# Altium PCB Discharge_circuit.PcbDoc (part 1 of 2)
Units mil, origin at the board's own origin, x right, y up, seen from the top; angles counter-clockwise.
Board outline 3355 x 5880 mil, 2 copper layers (Top, Bottom), stack 61.811 mil thick; 102 components, 64 nets, 268 pads, 2630 vias.
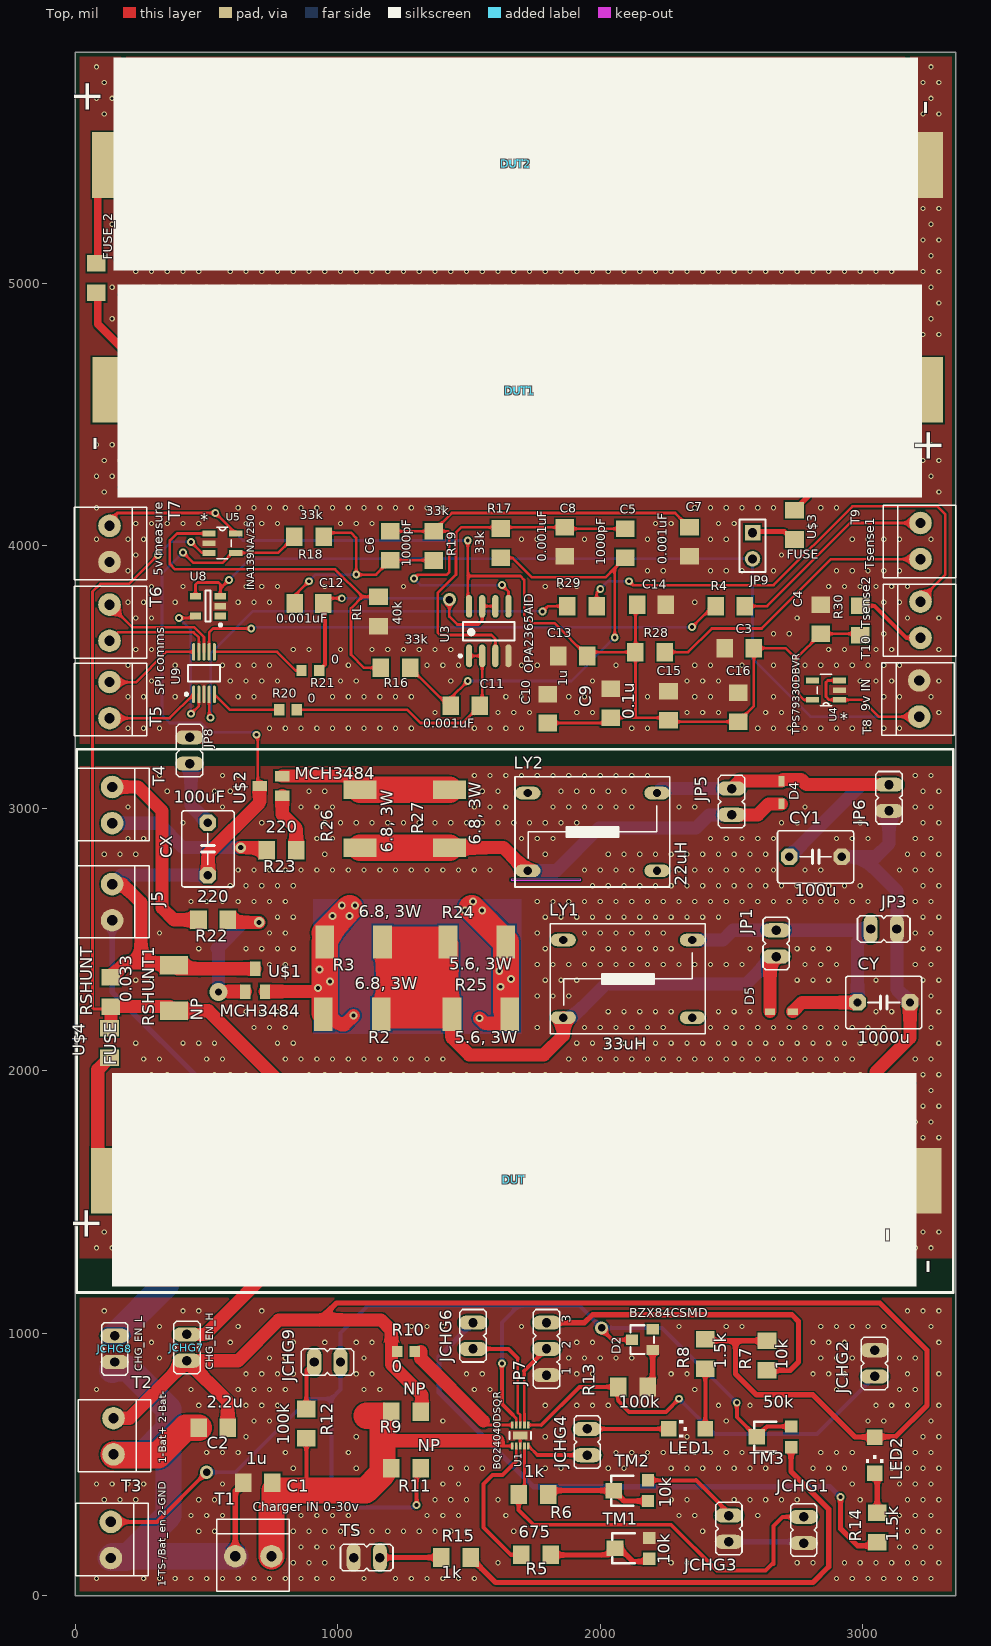
[diagram p0: Top view]
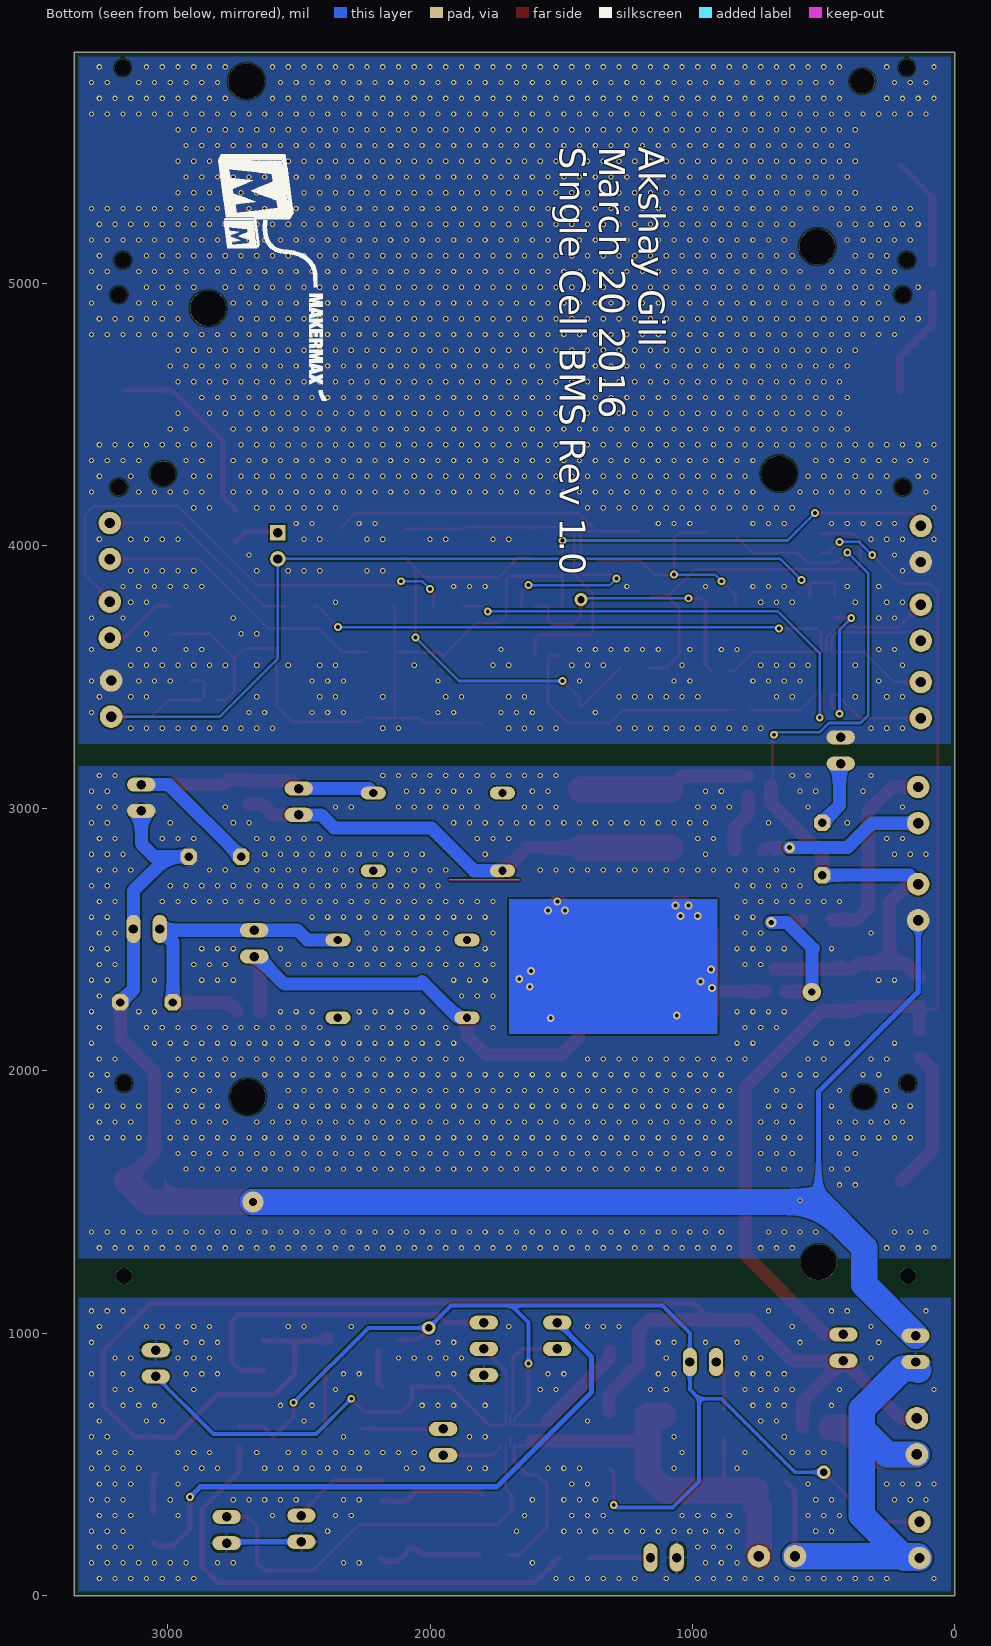
[diagram p1: Bottom view, seen from below]

## Layer stack, top to bottom
Top Solder: solder mask 0.4, Solder Resist, Dk 3.5
Top: signal copper 1.378
Dielectric 1: core 59.0551, FR-4, Dk 4.8
Bottom: signal copper 1.378
Bottom Solder: solder mask 0.4, Solder Resist, Dk 3.5

## Board outline
0,0 0,5880 3355,5880 3355,0

## Design rules (kind name [scope] priority, off if disabled: settings)
AssemblyTestPointUsage SilkToBoardRegionClearance_1 [All] p1:
AssemblyTestPointUsage [All] p2:
AssemblyTestPointUsage SilkToBoardRegionClearance_2 [All] p3:
BoardOutlineClearance [All] p1: gap=15.76 except(0: Region-OutlineEdge Region-CutoutEdge Region-CavityEdge Region-SplitBarrior Region-SplitContinuation Text-OutlineEdge Text-CutoutEdge Text-CavityEdge Text-SplitBarrior Text-SplitContinuation)
Clearance Clearance_1 [All] p1: gap=6 except(0: Region-Region Region-Text Text-Text; 7: SMDPad-Text)
Clearance [All] p2: gap=6
Clearance "Clearance (Same Net)" [All] p3: gap=6
HoleSize HoleSize_1 [All] p1: absolutevalues=TRUE maxlimit=100000 minlimit=12 maxpercent=80.000 minpercent=20.000
HoleSize [All] p2: absolutevalues=TRUE maxlimit=250 minlimit=11.81 maxpercent=80.000 minpercent=20.000
HoleToHoleClearance mdViaViaSameLayer [All] p1: gap=8 allowstackedmicrovias=TRUE
HoleToHoleClearance [All] p2: gap=10 allowstackedmicrovias=TRUE
MatchedLengths DiffPair_DIFF100MatchedLengths [InDifferentialPairClass('DIFF100')] p1: tolerance=6 checknetsindiffpair=TRUE checkdiffpairvsdiffpair=FALSE checkxsignals=FALSE checkothers=FALSE
MinimumSolderMaskSliver SilkscreenOverComponentPads_2 [All] p1: minsoldermaskwidth=10
MinimumSolderMaskSliver SilkToSolderMaskClearance_1 [IsPad] p2: minsoldermaskwidth=10
MinimumSolderMaskSliver SilkscreenOverComponentPads_1 [All] p3: minsoldermaskwidth=10
MinimumSolderMaskSliver SilkToSolderMaskClearance_2 [IsPad] p4: minsoldermaskwidth=10
MinimumSolderMaskSliver SilkscreenOverComponentPads [All] p5: minsoldermaskwidth=10
MinimumSolderMaskSliver [All] p6: minsoldermaskwidth=3.94
PasteMaskExpansion mlMinCreamFrame [All] p1: expansion=0
PasteMaskExpansion [All] p2: expansion=0
PolygonConnect ThermalVias [IsVia] p1: connectstyle=Direct reliefconductorwidth=10 reliefentries=4 polygonreliefangle="90 Angle" airgapwidth=10
PolygonConnect [All] p2: connectstyle=Direct reliefconductorwidth=10 reliefentries=4 polygonreliefangle="90 Angle" airgapwidth=10
RoutingVias [All] p1: holewidth=12 width=25 viastyle="Through Hole" minholewidth=12 minwidth=25 maxholewidth=28 maxwidth=50
SilkToSolderMaskClearance [IsPad] p1 off: minsilkscreentomaskgap=10 clearancetoexposedcopper=TRUE
SolderMaskExpansion mlMinStopFrame [All] p1: expansion=4
SolderMaskExpansion [All] p2: expansion=4
Width Width_1 [All] p1: maxlimit=100 minlimit=10 preferedwidth=50 minimp=50.000000 maximp=50.000000 favimp=50.000000
Width [All] p2: maxlimit=100 minlimit=6 preferedwidth=10
24 further rules are at their usual default settings.

## Classes and differential pairs
component class Discharge_circuit_0: C3 C4 C5 C6 C7 C8 C9 C10 C11 C12 C13 C14 C15 C16 CX CY CY1 D4 D5 DUT DUT1 DUT2 FUSE_2 J5 JP1 JP3 JP5 JP6 JP8 JP9 LY1 LY2 R2 R3 R4 R16 R17 R18 R19 R20 R21 R22 R23 R24 R25 R26 R27 R28 R29 R30 RL RSHUNT RSHUNT1 T4 T5 T6 T7 T8 T9 T10 Text U3 U4 U5 U8 U9 U$1 U$2 U$3 U$4
component class Discharge_circuit_1: C1 C2 D2 JCHG1 JCHG2 JCHG3 JCHG4 JCHG6 JCHG7 JCHG8 JCHG9 JP7 LED1 LED2 R5 R6 R7 R8 R9 R10 R11 R12 R13 R14 R15 T1 T2 T3 TM1 TM2 TM3 TS U1

## Components (designator, comment, footprint, x,y, rotation, side; value= is the part's Value field where it differs from the comment)
C1 "1u" C1206 695,430 r180 top
C2 "2.2u" C1206 525,640 r180 top
C3 "0.1u" C1206 2530,3610 r180 top
C4 "1u" C1206 2840,3720 r90 top
C5 "1000pF" C1206 2095,4010 r90 top
C6 "1000pF" C1206 1200,4000 r90 top
C7 "0.001uF" C1206 2340,4015 r270 top
C8 "0.001uF" C1206 1865,4015 r270 top
C9 "0.1u" C1206 2040,3400 r90 top
C10 "1u" C1206 1800,3380 r90 top
C11 "0.001uF" C1206 1485,3390 r0 top
C12 "0.001uF" C1206 890,3780 r0 top
C13 "1u" C1206 1895,3580 r180 top
C14 "0.1u" C1206 2195,3775 r0 top
C15 "0.1u" C1206 2260,3390 r90 top
C16 "0.1u" C1206 2525,3385 r90 top
CX "100uF" C5B5#1 505,2845 r90 top
CY "1000u" C5B5#2 3120,2960 r0 top
CY1 "100u" C5B5#1 2820,2815 r0 top
D2 "BZX84CSMD" TO236 2160,975 r90 top
D4 "DIODEDIODE" SOD323 2690,3060 r90 top (schematic designator R4)
D5 "DIODEDIODE" SOD323 2690,2225 r0 top
DUT "" 18650 3300,1710 r180 top
DUT1 "" 18650 65,4465 r0 top
DUT2 "" 18650 3305,5580 r180 top
FUSE_2 "FUSE" R1206 80,5020 r270 top
J5 "Bat+/- measure" 1X2-3.5MM 140,2640 r90 top (schematic designator T11)
JCHG1 "JMP_ASI_GND" JP1 2775,250 r0 top
JCHG2 "JMP_ASO_GND" JP1 3045,885 r180 top
JCHG3 "JMP_PRETERM" JP1 2490,255 r180 top
JCHG4 "PG" JP1 1950,585 r0 top
JCHG6 "CHG" JP1 1515,990 r0 top
JCHG7 "CHG_EN_H" JP1 425,945 r0 top
JCHG8 "CHG_EN_L" JP1 150,940 r0 top
JCHG9 "PEC02SAAN" JP1 960,890 r270 top
JP1 "" JP1 2670,2485 r180 top
JP3 "" JP1 3080,2540 r90 top
JP5 "" JP1 2500,3025 r180 top
JP6 "" JP1 3100,3040 r0 top
JP7 "JMP_Hi_Flt_Lo" JP2 1795,940 r90 top
JP8 "" JP1 435,3220 r180 top
JP9 "Header 2" HDR1X2 2580,4050 r270 top
LED1 "" CHIPLED_1206 2330,635 r90 top
LED2 "" CHIPLED_1206 3045,535 r180 top
LY1 "33uH" DSH01 2105,2350 r0 top
LY2 "22uH" DSH01 1970,2910 r0 top
R2 "6.8, 3W" R2512 1055,2215 r180 top
R3 "6.8, 3W" R2512 1060,2490 r180 top
R4 "887R" R1206 2495,3770 r180 top
R5 "675" R1206 1755,155 r180 top
R6 "1k" R1206 1745,385 r180 top
R7 "10k" R1206 2635,915 r90 top
R8 "1.5k" R1206 2400,920 r90 top
R9 "NP" R1206 1260,700 r180 top
R10 "0" R0603 1260,930 r0 top
R11 "NP" R1206 1260,485 r180 top
R12 "100k" R1206 880,655 r270 top
R13 "100k" R1206 2125,795 r0 top
R14 "1.5k" R1206 3055,260 r90 top
R15 "1k" R1206 1450,145 r0 top
R16 "33k" R1206 1220,3535 r180 top
R17 "33k" R1206 1620,4010 r270 top
R18 "33k" R1206 890,4035 r180 top
R19 "33k" R1206 1365,4000 r270 top
R20 "0" R0603 810,3375 r0 top
R21 "0" R0603 895,3525 r0 top
R22 "220" R1206 525,2575 r180 top
R23 "220" R1206 785,2840 r180 top
R24 "5.6, 3W" R2512 1530,2490 r0 top
R25 "5.6, 3W" R2512 1545,2215 r0 top
R26 "6.8, 3W" R2512 1085,2960 r90 top
R27 "6.8, 3W" R2512 1425,2960 r90 top
R28 "887R" R1206 2190,3595 r180 top
R29 "887R" R1206 1930,3770 r180 top
R30 "887R" R1206 2990,3715 r270 top
RL "40k" R1206 1155,3750 r90 top
RSHUNT "0.033" R1206 135,2300 r90 top
RSHUNT1 "NP" R5025 375,2315 r90 top
T1 "Charger IN 0-30v" 1X2-3.5MM 680,150 r180 top
T2 "1-Bat+ 2-Bat-" 1X2-3.5MM 145,605 r90 top
T3 "1-TS-/Bat_en 2-GND" 1X2-3.5MM 135,210 r90 top
T4 "FET drive" 1X2-3.5MM 140,3010 r90 top
T5 "SPI comms" 1X2-3.5MM 130,3410 r90 top
T6 "" 1X2-3.5MM 130,3705 r90 top
T7 "5v measure" 1X2-3.5MM 130,4005 r90 top
T8 "9v IN" 1X2-3.5MM 3215,3420 r270 top
T9 "Tsense1" 1X2-3.5MM 3220,4020 r270 top
T10 "Tsense2" 1X2-3.5MM 3220,3720 r270 top
TM1 "10k" TC33X 2115,180 r90 top
TM2 "10k" TC33X 2110,400 r90 top
TM3 "50k" TC33X 2655,605 r90 top
TS "" JP1 1110,145 r270 top
U1 "BQ24040DSQR" SON40P200X200X80-10N 1695,610 r90 top
U3 "OPA2365AID" TI-D8_N 1575,3675 r90 top
U4 "TPS79330DBVR" SOT95P280X145-5N 2860,3450 r180 top
U5 "INA139NA/250" SOT95P280X145-5N 560,4010 r0 top
U8 "LM4120IM5-5.0/NOPB" MF05A_N 505,3770 r180 top
U9 "ADC104S021QIMM/NOPB" TI-DGS10_N 490,3515 r90 top
U$1 "MCH3484" SOT23B-3 685,2345 r0 top
U$2 "MCH3484" SOT23B-3 745,3085 r90 top
U$3 "FUSE" R1206 2740,4080 r270 top
U$4 "FUSE" R1206 130,2105 r90 top

## Footprints (in the part's own frame and the unit in brackets; to place one, negate y for a bottom-side part, rotate by r counter-clockwise, add the part's x,y. Pads: shape width x height; smd on the part's side, far side on the other; paste and mask are expansions set on the pad)
1X2-3.5MM [mil] "1X2-3.5MM"
  round 86 hole 39.37: 1(70.87,0) 2(-66.93,0)
  silkscreen extent -134,-142 142,134
18650 [mil] "18650"
  round 62 hole 62: 1(134,492) 1(134,-242) 1(3121,-242) 1(3121,492)
  round 136 hole 136: 1(605.5,-190) 1(2780.5,440)
  round 94 hole 94: 1(2952.5,-190)
  rect 289x250 smd: +(3097,129) P$1(144.5,129)
  silkscreen extent 95,-282 3160,532
C5B5#1 [mil] "C5B5"
  oct 63x63 hole 32: 1(-100,0) 2(100,0)
  silkscreen extent -145,-100 145,100
C5B5#2 [mil] "C5B5"
  oct 63x63 hole 32: 1(-140,-700) 2(60,-700)
  silkscreen extent -185,-800 105,-600
C1206 [mil] "C1206"
  rect 62.99x70.87 smd: 1(-55.12,0) 2(55.12,0)
CHIPLED_1206 [mil] "CHIPLED_1206"
  rect 59.06x59.06 smd: A(0,-68.9) C(0,68.9)
  silkscreen extent -33,0 33,31
DSH01 [mil] "DSH01"
  oval 96x48 hole 32: 1(246,-148) 2(246,148) 3(-246,148) 4(-246,-148)
  silkscreen extent -295,-210 295,210
HDR1X2 [mm] "Connector; Header; 2 Position"
  rect 1.5x1.5 hole 0.9: 1(0,0)
  round 1.5 hole 0.9: 2(2.54,0)
  silkscreen extent -1.27,-1.27 3.81,1.27
JP1 [mil] "JP1"
  oval 108x54 hole 36: 1(0,-50) 2(0,50)
  silkscreen extent -50,-100 50,100
JP2 [mil] "JP2"
  oval 54x108 hole 36: 1(-100,0) 2(0,0) 3(100,0)
  silkscreen extent -150,-50 150,50
MF05A_N [mm] "SOT23, 5-Leads, Body 2.9x1.6mm, Pitch 0.95mm, Lead Span 2.8mm, IPC Medium Density"
  rect 1.1x0.65 smd: 1(-1.2,0.95) 2(-1.2,0) 3(-1.2,-0.95) 4(1.2,-0.95) 5(1.2,0.95)
  silkscreen extent -1.33,-1.5 0.25,1.95, body extent -0.83,-1.49 0.83,1.5, height 1.19
R0603 [mm]
  rect 1x1.1 smd: 1(-0.85,0) 2(0.85,0)
R1206 [mil]
  rect 62.99x70.98 smd: 1(-55.98,0) 2(55.98,0)
R2512 [mil] "R2512"
  rect 70.87x125.98 smd: 1(-110.24,0) 2(110.24,0)
R5025 [mil] "R5025"
  rect 70.87x106.3 smd: 1(-86.61,0) 2(86.61,0)
SOD323 [mm] "SOD323"
  rect 1x0.6 smd: 2(1.1,0) -(-1.1,0)
SON40P200X200X80-10N [mil] "SON40P200X200X80-10N"
  rect 26x10 smd: 1(-40,31) 2(-40,16) 3(-40,0) 4(-40,-16) 5(-40,-31) 6(40,-31) 7(40,-16) 8(40,0) 9(40,16) 10(40,31)
  rect 31x55 smd: 11(0,0)
  silkscreen extent -15,-41 15,41
SOT23B-3 [mm] "SOT23B-3"
  rect 1x1.4 smd: 1(-0.95,-1.1) 2(0.95,-1.1) 3(0,1.1)
SOT95P280X145-5N [mil] "SOT95P280X145-5N"
  rect 50x22 smd: 1(-51,37) 2(-51,0) 3(-51,-37) 4(51,-37) 5(51,37)
  silkscreen extent -21,-60 34,60
TC33X [mm] "TC33X"
  rect 1.2x1.2 smd: 1(-1,-1.825) 3(1,-1.825)
  rect 1.5x1.6 smd: 2(0,1.5)
  silkscreen extent -1.45,-0.4 1.45,1.75
TI-D8_N [mm] "SOIC, 8-Leads, Body 4.9x3.9mm, Pitch 1.27mm, IPC Medium Density"
  oval 2.2x0.6 smd: 1(-2.4,1.905) 2(-2.4,0.635) 3(-2.4,-0.635) 4(-2.4,-1.905) 5(2.4,-1.905) 6(2.4,-0.635) 7(2.4,0.635) 8(2.4,1.905)
  silkscreen extent -2.52,-2.5 0.9,2.88, body extent -2,-2.5 2,2.5, height 1.75
TI-DGS10_N [mm] "SOP, 10-Leads, Body 3x3mm, Pitch 0.5mm, IPC Medium Density"
  oval 1.7x0.3 smd: 1(-2.05,1) 2(-2.05,0.5) 3(-2.05,0) 4(-2.05,-0.5) 5(-2.05,-1) 6(2.05,-1) 7(2.05,-0.5) 8(2.05,0) 9(2.05,0.5) 10(2.05,1)
  silkscreen extent -2.17,-1.55 0.8,1.82, body extent -1.55,-1.55 1.55,1.55, height 1.1
TO236 [mm] "TO236"
  rect 1x1.2 smd: A(-1,-1) C(0,1) NC(1,-1)
  silkscreen extent -1.4,-1.15 1.4,1.15

## Part data
C1 C2 C3 C4 C5 C6 C7 C8 C9 C10 C11 C12 C13 C14 C15 C16: library part C-USC1206, "CAPACITOR, American symbol"
CX CY CY1: library part C5/5, "CAPACITOR   naming: grid - package width"
D2: "Z DIODE"
D4 D5: "http://www.digikey.com/product-detail/en/panasonic-electronic-components/MA2Z0300AL/MA2Z0300ALCT-ND/972523"
DUT DUT1 DUT2: library part 18650_CELL
J5 T1 T2 T3 T4 T5 T6 T7 T8: library part 1X2-3.5MM, "3.5mm Terminal block    http://www.ladyada.net/library/pcb/eaglelibrary.html"
JCHG1 JCHG2 JCHG3 JCHG4 JCHG6 JCHG7 JCHG8 JCHG9 JP1 JP3 JP5 JP6 JP8 TS: library part JP1Q, "JUMPER"
JP7: library part JP2E, "JUMPER"
JP9: "Header, 2-Pin"
LED1 LED2: library part LEDCHIPLED_1206, "LED   OSRAM: - CHIPLED LG R971, LG N971, LY N971, LG Q971, LY Q971, LO R971, LY R971 LH N974, LH R974 LS Q976, LO Q976, LY Q976 LO Q996 - Hyper CHIPLED LW Q18S LB Q993, LB Q99A, LB R99A - SideLED LS A670, LO A670, LY A670, LG A670, LP A670 LB A673, LV A673, LT A673, LW A673 LH A674 LY A675 LS A676, LA A676, LO A676, LY A676, LW A676 LS A679, LY A679, LG A679 -  Hyper Micro SIDELED® LS Y876, LA Y876, LO Y876, LY Y876 LT Y87S - SmartLED LW L88C, LW L88S LB L89C, LB L89S, LG L890 LS L89K, LO L89K, LY L89K LS L896, LA L896, LO L896, LY L896 - TOPLED LS T670, LO T670, LY T670, LG T670, LP T670 LSG T670, LSP T670, LSY T670, LOP T670, LYG T670 LG T671, LOG T671, LSG T671 LB T673, LV T673, LT T673, LW T673 LH T674 LS T676, LA T676, LO T676, LY T676, LB T676, LH T676, LSB T676, LW T676 LB T67C, LV T67C, LT T67C, LS T67K, LO T67K, LY T67K, LW E67C LS E67B, LA E67B, LO E67B, LY E67B, LB E67C, LV E67C, LT E67C LW T67C LS T679, LY T679, LG T679 LS T770, LO T770, LY T770, LG T770, LP T770 LB T773, LV T773, LT T773, LW T773 LH T774 LS E675, LA E675, LY E675, LS T675 LS T776, LA T776, LO T776, LY T776, LB T776 LHGB T686 LT T68C, LB T68C - Hyper Mini TOPLED® LB M676 - Mini TOPLED Santana® LG M470 LS M47K, LO M47K, LY M47K    Source: http://www.osram.convergy.de/"
LY1 LY2: library part DSH01, "INDUCTOR"
R2 R3 R24 R25 R26 R27: library part R-US_R2512, "RESISTOR, American symbol"
R4 R28 R29 R30: library part R-US_R1206
R5 R6 R7 R8 R9 R10 R11 R12 R13 R14 R15 R16 R17 R18 R19 R20 R21 R22 R23 RL RSHUNT: library part R-US_R1206, "RESISTOR, American symbol"
RSHUNT1: library part R-US_R5025, "RESISTOR, American symbol"
T9 T10: library part 1X2-3.5MM
TM1 TM2 TM3: library part TRIMPOTTC33X, "SMT trimmer potentiometer part number TC33X    http://www.ladyada.net/library/eagle"
U1: "Single Cell Li-Ion Battery Charger"
U3: "50 MHz, Low-Noise Single-Supply Rail-to-Rail Operational Amplifier, 2.2 to 5.5 V, -40 to 125 degC, 8-pin SOIC (D8), Green (RoHS & no Sb/Br)"
U4: "ULTRALOW-NOISE, HIGH PSRR, FAST RF 200mA LOW-DROPOUT LINEAR REGULATORS IN NanoStar? WAFER CHIP SCALE AND SOT23"
U5: "High-Side Measurement CURRENT SHUNT MONITOR"
U8: "Precision Micropower Low Dropout Voltage Reference, 5-pin SOT-23, Pb-Free"
U9: "4 Channel, 50 to 200 kSPS, 10-Bit ADC, -40 to 85 degC, 10-pin SOP (DGS10), Green (RoHS & no Sb/Br)"
U$1 U$2: "MCH3484 Power MOSFET 20v, 4.5A ON Semi http://www.onsemi.com/pub_link/Collateral/MCH3484-D.PDF"

## Via types
v1: diameter 20, hole 12, Top to Bottom, 2581 vias
v2: diameter 30, hole 15, Top to Bottom, 42 vias
v3: diameter 50, hole 28, Top to Bottom, 3 vias
v4: diameter 40, hole 20, Top to Bottom, 2 vias
v5: diameter 70, hole 28, Top to Bottom, 1 vias
v6: diameter 80, hole 30, Top to Bottom, 1 vias

## Nets (pads, with @x,y where several pads share a name; then routed paths per layer and width w, separated by ;. In a path a pad name is that pad's centre, name@x,y a point inside that pad or via, vN(x,y) a via of type N, cw(c..) or ccw(c..) an arc to the next point about the centre after c; other vN are vias at no path point)
5V_NET: C3.1 C4.1 C9.1 C10.1 C13.1 C14.1 C15.1 C16.1 R28.2 R30.2 T7.1 U3.8 U4.5 U5.5 | length 4810.6
  Top w10: T7.1@130,4075.87 130,4095 160,4125 v2(533,4125) U5.5@611,4047 ; v2(1495,4020) 1495,3885 ; U3.8@1500,3769.49 1495,3774.49 1495,3885 ; C10.1@1800,3324.88 2020,3324.88 C9.1@2040,3344.88 2130,3344.88 ; C14.1@2139.88,3775 2134.02,3769.14 R28.2@2134.02,3595 ; U4.5@2809,3413 2777,3413 2745,3445 2745,3569.88 ; R30.2@2990,3659.02 2984.14,3664.88 C4.1@2840,3664.88 2745,3569.88 ; 1495,3885 1695,3885 1710,3870 1710,3735 1740,3705 1825.12,3705 C13.1@1950.12,3580 1965.12,3595 R28.2@2134.02,3595 ; 2130,3344.88 2250,3344.88 C15.1@2260,3334.88 2265,3329.88 C16.1@2525,3329.88 2585.12,3390 C3.1@2585.12,3610 2704.88,3610 2745,3569.88 ; 2130,3344.88 2134.02,3348.9 R28.2@2134.02,3595
  Bottom w10: T7.1@130,4075.87 T7.1@139.13,4085 ; v2(533,4125) 638,4020 v2(1495,4020)
BAT-: CY1.2 CY.2 DUT.P$1 J5.2 JCHG8.2 JP3.1 JP6.1 | length 6294.6
  Top w50: DUT.P$1@3155.5,1581 3050,1686.5 3050,1995 3180,2125 CY.2@3180,2260
  Top w100: v6(2675,1500) 3074.5,1500 DUT.P$1@3155.5,1581
  Bottom w20: J5.2@140,2573.07 140,2300 520,1920 520,1500
  Bottom w50: CY1.2@2920,2815 3000,2815 ; JP6.1@3100,2990 3100,2865 3050,2815 3000,2815 ; CY.2@3180,2260 3130,2310 JP3.1@3130,2540 3130,2685 3000,2815
  Bottom w100: JCHG8.2@150,990 345,1185 345,1325 520,1500 v6(2675,1500)
  other v1: 80,1325 140,1325 200,1325 260,1325 620,1325 680,1325 740,1325 860,1325 920,1325 980,1325 1040,1325 1100,1325 1160,1325 1220,1325 1280,1325 1340,1325 1400,1325 1460,1325 1520,1325 1580,1325 1640,1325 1700,1325 1760,1325 1820,1325 1880,1325 1940,1325 2000,1325 2060,1325 2120,1325 2180,1325 2240,1325 2300,1325 2360,1325 2420,1325 2480,1325 2540,1325 2600,1325 2660,1325 2720,1325 2780,1325 2840,1325 2900,1325 2960,1325 3020,1325 3080,1325 3140,1325 3200,1325 3260,1325 110,1385 170,1385 230,1385 530,1385 590,1385 650,1385 710,1385 890,1385 950,1385 1010,1385 1070,1385 1130,1385 1190,1385 1250,1385 1310,1385 1370,1385 1430,1385 1490,1385 1550,1385 1610,1385 1670,1385 1730,1385 1790,1385 1850,1385 1910,1385 1970,1385 2030,1385 2090,1385 2150,1385 2210,1385 2270,1385 2330,1385 2390,1385 2450,1385 2510,1385 2570,1385 2630,1385 2690,1385 2750,1385 2810,1385 2870,1385 2930,1385 2990,1385 3050,1385 3110,1385 3170,1385 3230,1385 3290,1385 590,1505 380,1565 440,1565 410,1625 470,1625 590,1625 650,1625 710,1625 890,1625 950,1625 1010,1625 1070,1625 1130,1625 1190,1625 1250,1625 1310,1625 1370,1625 1430,1625 1490,1625 1550,1625 1610,1625 1670,1625 1730,1625 1790,1625 1850,1625 1910,1625 1970,1625 2030,1625 2090,1625 2150,1625 2210,1625 2270,1625 2330,1625 2390,1625 2450,1625 2510,1625 2570,1625 2630,1625 2690,1625 2750,1625 2810,1625 2870,1625 2930,1625 380,1685 440,1685 620,1685 680,1685 740,1685 860,1685 920,1685 980,1685 1040,1685 1100,1685 1160,1685 1220,1685 1280,1685 1340,1685 1400,1685 1460,1685 1520,1685 1580,1685 1640,1685 1700,1685 1760,1685 1820,1685 1880,1685 1940,1685 2000,1685 2060,1685 2120,1685 2180,1685 2240,1685 2300,1685 2360,1685 2420,1685 2480,1685 2540,1685 2600,1685 2660,1685 2720,1685 2780,1685 2840,1685 2900,1685 2960,1685 170,1745 230,1745 290,1745 350,1745 410,1745 470,1745 590,1745 650,1745 710,1745 890,1745 950,1745 1010,1745 1070,1745 1130,1745 1190,1745 1250,1745 1310,1745 1370,1745 1430,1745 1490,1745 1550,1745 1610,1745 1670,1745 1730,1745 1790,1745 1850,1745 1910,1745 1970,1745 2030,1745 2090,1745 2150,1745 2210,1745 2270,1745 2330,1745 2390,1745 2450,1745 2510,1745 2570,1745 2630,1745 2690,1745 2750,1745 2810,1745 2870,1745 2930,1745 2990,1745 3110,1745 3170,1745 3230,1745 3290,1745 200,1805 260,1805 320,1805 380,1805 440,1805 620,1805 680,1805 740,1805 860,1805 920,1805 980,1805 1040,1805 1100,1805 1160,1805 1220,1805 1280,1805 1340,1805 1400,1805 1460,1805 1520,1805 1580,1805 1640,1805 1700,1805 1760,1805 1820,1805 1880,1805 1940,1805 2000,1805 2060,1805 2120,1805 2180,1805 2240,1805 2300,1805 2360,1805 2420,1805 2480,1805 2540,1805 2600,1805 2660,1805 2780,1805 2840,1805 2900,1805 2960,1805 3140,1805 3200,1805 3260,1805 170,1865 230,1865 470,1865 590,1865 650,1865 710,1865 890,1865 950,1865 1010,1865 1070,1865 1130,1865 1190,1865 1250,1865 1310,1865 1370,1865 1430,1865 1490,1865 1550,1865 1610,1865 1670,1865 1730,1865 1790,1865 1850,1865 1910,1865 1970,1865 2030,1865 2090,1865 2150,1865 2210,1865 2270,1865 2330,1865 2390,1865 2450,1865 2510,1865 2570,1865 2810,1865 2870,1865 2930,1865 2990,1865 3110,1865 3170,1865 3230,1865 3290,1865 260,1925 440,1925 620,1925 680,1925 860,1925 920,1925 980,1925 1040,1925 1100,1925 1160,1925 1220,1925 1280,1925 1340,1925 1400,1925 1460,1925 1520,1925 1580,1925 1640,1925 1700,1925 1760,1925 1820,1925 1880,1925 1940,1925 2000,1925 2060,1925 2120,1925 2180,1925 2240,1925 2300,1925 2360,1925 2420,1925 2480,1925 2540,1925 2840,1925 2900,1925 2960,1925 3260,1925 290,1985 350,1985 530,1985 590,1985 650,1985 890,1985 950,1985 1010,1985 1070,1985 1130,1985 1190,1985 1250,1985 1310,1985 1370,1985 1430,1985 1490,1985 1550,1985 1610,1985 1670,1985 1730,1985 1790,1985 1850,1985 1910,1985 1970,1985 2030,1985 2090,1985 2150,1985 2210,1985 2270,1985 2330,1985 2390,1985 2450,1985 2510,1985 2570,1985 2630,1985 2750,1985 2810,1985 2870,1985 2930,1985 2990,1985 3230,1985 3290,1985 260,2045 320,2045 500,2045 560,2045 800,2045 860,2045 920,2045 980,2045 1040,2045 1100,2045 1160,2045 1220,2045 1280,2045 1340,2045 1400,2045 1880,2045 1940,2045 2000,2045 2060,2045 2120,2045 2180,2045 2240,2045 2300,2045 2360,2045 2420,2045 2480,2045 2540,2045 2600,2045 2660,2045 2720,2045 2780,2045 2840,2045 2900,2045 2960,2045 3200,2045 3260,2045 230,2105 410,2105 470,2105 530,2105 770,2105 830,2105 1910,2105 1970,2105 2030,2105 2090,2105 2150,2105 2210,2105 2270,2105 2330,2105 2390,2105 2450,2105 2510,2105 2570,2105 2630,2105 2690,2105 2750,2105 2810,2105 2870,2105 2930,2105 2990,2105 3050,2105 3290,2105 680,2165 740,2165 800,2165 1760,2165 1940,2165 2000,2165 2060,2165 2120,2165 2180,2165 2240,2165 2420,2165 2480,2165 2540,2165 2600,2165 2660,2165 2720,2165 2780,2165 2840,2165 2900,2165 2960,2165 3020,2165 3080,2165 3260,2165 650,2225 710,2225 770,2225 830,2225 2030,2225 2090,2225 2150,2225 2210,2225 2270,2225 2450,2225 2510,2225 2570,2225 3050,2225 3110,2225 3290,2225 1760,2285 1820,2285 1880,2285 3260,2285 230,2345 290,2345 1790,2345 1850,2345 1910,2345 2750,2345 2810,2345 2870,2345 3050,2345 3230,2345 3290,2345 740,2405 800,2405 1760,2405 1820,2405 1880,2405 1940,2405 2000,2405 2060,2405 2120,2405 2180,2405 2240,2405 2300,2405 2360,2405 2420,2405 2480,2405 2540,2405 2780,2405 2840,2405 2900,2405 3200,2405 3260,2405 470,2465 650,2465 710,2465 770,2465 830,2465 1790,2465 1970,2465 2030,2465 2090,2465 2150,2465 2210,2465 2270,2465 2570,2465 2750,2465 2810,2465 2870,2465 3230,2465 3290,2465 320,2525 740,2525 800,2525 1760,2525 1940,2525 2000,2525 2060,2525 2120,2525 2180,2525 2240,2525 3200,2525 3260,2525 770,2585 830,2585 1790,2585 1850,2585 1910,2585 1970,2585 2030,2585 2090,2585 2150,2585 2210,2585 2270,2585 2330,2585 2390,2585 2450,2585 3230,2585 3290,2585 440,2645 500,2645 560,2645 620,2645 680,2645 740,2645 800,2645 1760,2645 1820,2645 1880,2645 1940,2645 2000,2645 2060,2645 2120,2645 2180,2645 2240,2645 2300,2645 2360,2645 2420,2645 2480,2645 2540,2645 2600,2645 2660,2645 2720,2645 2780,2645 2840,2645 2900,2645 2960,2645 3020,2645 3200,2645 3260,2645 590,2705 650,2705 710,2705 770,2705 830,2705 1970,2705 2030,2705 2090,2705 2150,2705 2210,2705 2270,2705 2330,2705 2390,2705 2450,2705 2510,2705 2570,2705 2630,2705 2690,2705 2750,2705 2810,2705 2870,2705 2930,2705 2990,2705 3230,2705 3290,2705 620,2765 680,2765 740,2765 800,2765 860,2765 920,2765 980,2765 1040,2765 1100,2765 1160,2765 1220,2765 1280,2765 1340,2765 1400,2765 1460,2765 1520,2765 1580,2765 1940,2765 2000,2765 2060,2765 2120,2765 2300,2765 2360,2765 2420,2765 2480,2765 2540,2765 2600,2765 2660,2765 2780,2765 2840,2765 3140,2765 3200,2765 3260,2765 110,2825 170,2825 230,2825 950,2825 1790,2825 2030,2825 2090,2825 2150,2825 2210,2825 2270,2825 2330,2825 2390,2825 2450,2825 2510,2825 2570,2825 2630,2825 3170,2825 3230,2825 3290,2825 200,2885 260,2885 920,2885 980,2885 1700,2885 1760,2885 1820,2885 2420,2885 2480,2885 2540,2885 2600,2885 2660,2885 2900,2885 2960,2885 3020,2885 3200,2885 3260,2885 410,2945 710,2945 950,2945 1010,2945 1070,2945 1130,2945 1190,2945 1250,2945 1310,2945 1370,2945 1430,2945 1490,2945 1550,2945 1610,2945 1670,2945 1730,2945 1790,2945 1850,2945 1910,2945 2690,2945 2750,2945 2990,2945 3230,2945 3290,2945 200,3005 560,3005 860,3005 920,3005 980,3005 1520,3005 1580,3005 1640,3005 1820,3005 1880,3005 1940,3005 2000,3005 2060,3005 2120,3005 2300,3005 2360,3005 2780,3005 3200,3005 3260,3005 350,3065 530,3065 590,3065 890,3065 950,3065 1550,3065 1610,3065 1850,3065 1910,3065 1970,3065 2030,3065 2090,3065 3230,3065 3290,3065 320,3125 560,3125 620,3125 1520,3125 1580,3125 1640,3125 1700,3125 1760,3125 1820,3125 1880,3125 1940,3125 2000,3125 2060,3125 2120,3125 2180,3125 3200,3125 3260,3125
FETDRIVE_1: R22.2 T4.1 | length 755.3
  Top w50: T4.1@140,3080.87 239.13,3080.87 330,2990 330,2620 375,2575 R22.2@469.02,2575
FETDRIVE_2: R23.2 T4.2 | length 631.7
  Top w50: v4(630,2850) 719.02,2850 R23.2@729.02,2840
  Bottom w50: T4.2@140,2943.07 316.93,2943.07 410,2850 v4(630,2850)